# Altium PCB AD9361_EXT.PcbDoc (part 3 of 9)
Units mil, origin at the board's own origin, x right, y up, seen from the top; angles counter-clockwise.
Board outline 3145.03 x 1955.03 mil, 2 copper layers (Top Layer, Bottom Layer); 53 components, 59 nets, 286 pads, 253 vias.
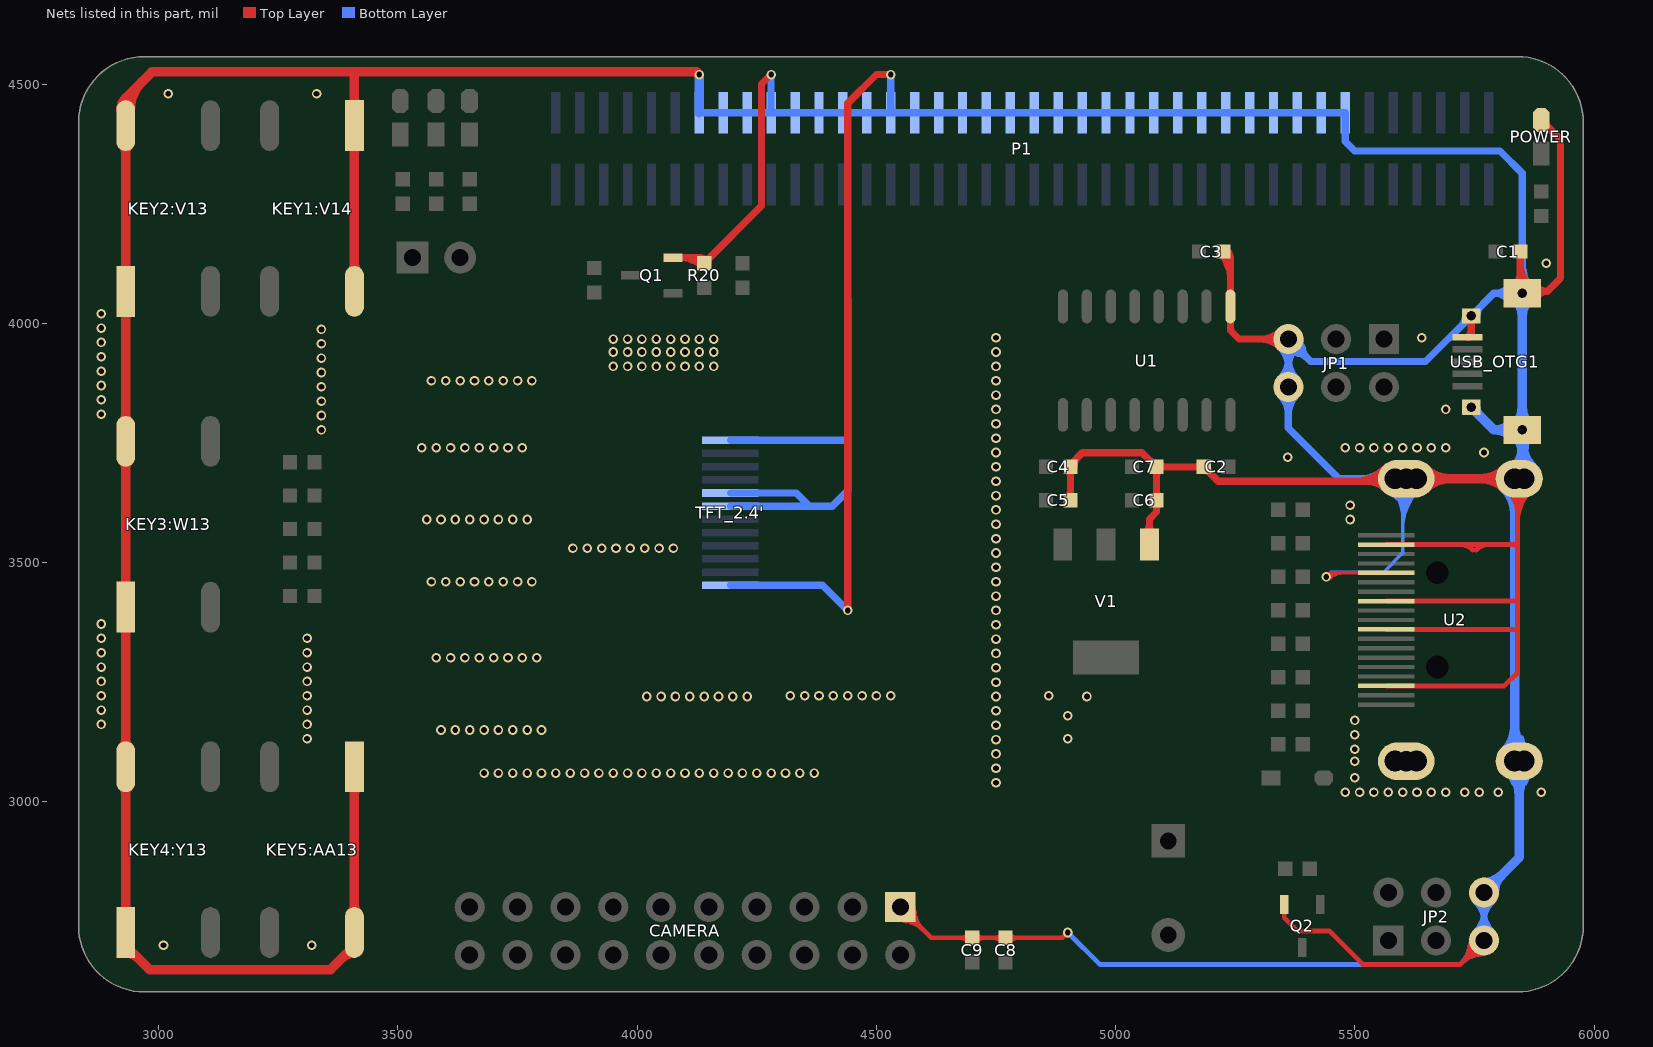
[diagram p3: the nets of this part, all layers, seen from the top]

## Via types
v1: diameter 20, hole 12, Top Layer to Bottom Layer, tented both sides, 253 vias

## Nets (pads, with @x,y where several pads share a name; then routed paths per layer and width w, separated by ;. In a path a pad name is that pad's centre, name@x,y a point inside that pad or via, vN(x,y) a via of type N, cw(c..) or ccw(c..) an arc to the next point about the centre after c; other vN are vias at no path point) (continued)
GND: (continued)
  Top Layer w15: Q1.2@4075,4137.4 4128.19,4137.4 R20.1@4140,4125.59 4260,4245.6 4260,4500 v1(4280,4520) ; v1(4440,3400) 4440,4460 4500,4520 v1(4530,4520) ; C5.2@4905.59,3630 C4.2@4905.59,3700 4905.59,3704.58 4930.5,3729.5 5055.41,3729.5 5084.91,3700 C7.2@5085.59,3700 ; V1.1@5070.55,3537.48 5070.55,3590.55 5085.59,3605.59 C6.2@5085.59,3630 C7.2@5085.59,3700 ; C3.2@5225.59,4150 5240,4135.58 U1.1@5240,4035.27 5240,3985.05 5258.05,3967 JP1.5@5361,3967 ; U2.MH4@5607.4,3675.28 U2.MH4@5602.13,3670 ; USB_OTG1.5@5743.31,4015.47 5743.31,3978.66 ; C1.2@5845.59,4150 5845.59,4067.13 5902.73,4067.13 5930,4094.4 5930,4384.75 POWER.2@5889.74,4425 ; Q1.2@4093.38,4137.4 cw(c4093.38,4078.98) R20.1@4134.69,4120.29 ; Q1.2@4093.38,4137.4 cw(c4093.38,4078.98) R20.1@4134.69,4120.29 ; Q1.2@4093.38,4137.4 cw(c4093.38,4078.98) R20.1@4134.69,4120.29 ; Q1.2@4093.38,4137.4 cw(c4093.38,4078.98) R20.1@4134.69,4120.29 ; 4112.13,4133.32 ccw(c4125.35,4156.23) R20.1@4136.76,4132.36 ; 4112.13,4133.32 ccw(c4125.35,4156.23) R20.1@4136.76,4132.36 ; 4112.13,4133.32 ccw(c4125.35,4156.23) R20.1@4136.76,4132.36 ; 4112.13,4133.32 ccw(c4125.35,4156.23) R20.1@4136.76,4132.36 ; 4112.13,4133.32 ccw(c4125.35,4156.23) R20.1@4136.76,4132.36 ; 4112.13,4133.32 ccw(c4125.35,4156.23) R20.1@4136.76,4132.36 ; R20.1@4129.6,4137.4 cw(c4129.6,4115.19) R20.1@4145.3,4130.9 ; R20.1@4129.6,4137.4 cw(c4129.6,4115.19) R20.1@4145.3,4130.9 ; R20.1@4129.6,4137.4 cw(c4129.6,4115.19) R20.1@4145.3,4130.9 ; R20.1@4129.6,4137.4 cw(c4129.6,4115.19) R20.1@4145.3,4130.9 ; R20.1@4140,4133.09 ccw(c4140,4151.2) R20.1@4152.8,4138.4 ; R20.1@4140,4133.09 ccw(c4140,4151.2) R20.1@4152.8,4138.4 ; R20.1@4140,4133.09 ccw(c4140,4151.2) R20.1@4152.8,4138.4 ; R20.1@4140,4133.09 ccw(c4140,4151.2) R20.1@4152.8,4138.4 ; R20.1@4147.5,4125.59 cw(c4165.6,4125.59) R20.1@4152.8,4138.4 ; R20.1@4147.5,4125.59 cw(c4165.6,4125.59) R20.1@4152.8,4138.4 ; R20.1@4147.5,4125.59 cw(c4165.6,4125.59) R20.1@4152.8,4138.4 ; R20.1@4147.5,4125.59 cw(c4165.6,4125.59) R20.1@4152.8,4138.4 ; C5.2@4900.28,3635.3 ccw(c4887.48,3648.1) 4905.59,3648.1 ; C5.2@4900.28,3635.3 ccw(c4887.48,3648.1) 4905.59,3648.1 ; C5.2@4900.28,3635.3 ccw(c4887.48,3648.1) 4905.59,3648.1 ; C5.2@4900.28,3635.3 ccw(c4887.48,3648.1) 4905.59,3648.1 ; C4.2@4900.28,3694.69 cw(c4887.48,3681.89) 4905.59,3681.89 ; C4.2@4900.28,3694.69 cw(c4887.48,3681.89) 4905.59,3681.89 ; C4.2@4900.28,3694.69 cw(c4887.48,3681.89) 4905.59,3681.89 ; C4.2@4900.28,3694.69 cw(c4887.48,3681.89) 4905.59,3681.89 ; 4905.59,3648.1 ccw(c4923.69,3648.1) C5.2@4910.89,3635.3 ; 4905.59,3648.1 ccw(c4923.69,3648.1) C5.2@4910.89,3635.3 ; 4905.59,3648.1 ccw(c4923.69,3648.1) C5.2@4910.89,3635.3 ; 4905.59,3648.1 ccw(c4923.69,3648.1) C5.2@4910.89,3635.3 ; 4905.59,3681.89 cw(c4923.69,3681.89) C4.2@4910.89,3694.69 ; 4905.59,3681.89 cw(c4923.69,3681.89) C4.2@4910.89,3694.69 ; 4905.59,3681.89 cw(c4923.69,3681.89) C4.2@4910.89,3694.69 ; 4905.59,3681.89 cw(c4923.69,3681.89) C4.2@4910.89,3694.69 ; C4.2@4913.09,3700 cw(c4942.26,3700) 4921.63,3720.63 ; C4.2@4913.09,3700 cw(c4942.26,3700) 4921.63,3720.63 ; C4.2@4913.09,3700 cw(c4942.26,3700) 4921.63,3720.63 ; C4.2@4913.09,3700 cw(c4942.26,3700) 4921.63,3720.63 ; V1.1@5061.94,3559.88 ccw(c5041.13,3580.68) 5070.55,3580.68 ; V1.1@5061.94,3559.88 ccw(c5041.13,3580.68) 5070.55,3580.68 ; V1.1@5061.94,3559.88 ccw(c5041.13,3580.68) 5070.55,3580.68 ; V1.1@5061.94,3559.88 ccw(c5041.13,3580.68) 5070.55,3580.68 ; 5070.55,3580.68 ccw(c5099.97,3580.68) V1.1@5079.17,3559.88 ; 5070.55,3580.68 ccw(c5099.97,3580.68) V1.1@5079.17,3559.88 ; 5070.55,3580.68 ccw(c5099.97,3580.68) V1.1@5079.17,3559.88 ; 5070.55,3580.68 ccw(c5099.97,3580.68) V1.1@5079.17,3559.88 ; C7.2@5071.63,3713.28 ccw(c5085.59,3727.23) C7.2@5085.59,3707.5 ; C7.2@5071.63,3713.28 ccw(c5085.59,3727.23) C7.2@5085.59,3707.5 ; C7.2@5071.63,3713.28 ccw(c5085.59,3727.23) C7.2@5085.59,3707.5 ; C7.2@5071.63,3713.28 ccw(c5085.59,3727.23) C7.2@5085.59,3707.5 ; C7.2@5073.26,3711.65 cw(c5061.61,3700) C7.2@5078.09,3700 ; C7.2@5073.26,3711.65 cw(c5061.61,3700) C7.2@5078.09,3700 ; C7.2@5073.26,3711.65 cw(c5061.61,3700) C7.2@5078.09,3700 ; C7.2@5073.26,3711.65 cw(c5061.61,3700) C7.2@5078.09,3700 ; C6.2@5080.28,3624.69 cw(c5067.48,3611.89) 5085.59,3611.89 ; C6.2@5080.28,3624.69 cw(c5067.48,3611.89) 5085.59,3611.89 ; C6.2@5080.28,3624.69 cw(c5067.48,3611.89) 5085.59,3611.89 ; C6.2@5080.28,3624.69 cw(c5067.48,3611.89) 5085.59,3611.89 ; C6.2@5080.28,3635.3 ccw(c5067.48,3648.1) 5085.59,3648.1 ; C6.2@5080.28,3635.3 ccw(c5067.48,3648.1) 5085.59,3648.1 ; C6.2@5080.28,3635.3 ccw(c5067.48,3648.1) 5085.59,3648.1 ; C6.2@5080.28,3635.3 ccw(c5067.48,3648.1) 5085.59,3648.1 ; C7.2@5080.28,3694.69 cw(c5067.48,3681.89) 5085.59,3681.89 ; C7.2@5080.28,3694.69 cw(c5067.48,3681.89) 5085.59,3681.89 ; C7.2@5080.28,3694.69 cw(c5067.48,3681.89) 5085.59,3681.89 ; C7.2@5080.28,3694.69 cw(c5067.48,3681.89) 5085.59,3681.89 ; 5085.59,3611.89 cw(c5103.69,3611.89) C6.2@5090.89,3624.69 ; 5085.59,3611.89 cw(c5103.69,3611.89) C6.2@5090.89,3624.69 ; 5085.59,3611.89 cw(c5103.69,3611.89) C6.2@5090.89,3624.69 ; 5085.59,3611.89 cw(c5103.69,3611.89) C6.2@5090.89,3624.69 ; 5085.59,3648.1 ccw(c5103.69,3648.1) C6.2@5090.89,3635.3 ; 5085.59,3648.1 ccw(c5103.69,3648.1) C6.2@5090.89,3635.3 ; 5085.59,3648.1 ccw(c5103.69,3648.1) C6.2@5090.89,3635.3 ; 5085.59,3648.1 ccw(c5103.69,3648.1) C6.2@5090.89,3635.3 ; 5085.59,3681.89 cw(c5103.69,3681.89) C7.2@5090.89,3694.69 ; 5085.59,3681.89 cw(c5103.69,3681.89) C7.2@5090.89,3694.69 ; 5085.59,3681.89 cw(c5103.69,3681.89) C7.2@5090.89,3694.69 ; 5085.59,3681.89 cw(c5103.69,3681.89) C7.2@5090.89,3694.69 ; C7.2@5085.59,3700 C2.2@5184.41,3700 5214.42,3670 U2.MH4@5602.13,3670 ; C7.2@5090.89,3694.69 cw(c5103.69,3681.89) 5103.69,3700 ; C7.2@5090.89,3694.69 cw(c5103.69,3681.89) 5103.69,3700 ; C7.2@5090.89,3694.69 cw(c5103.69,3681.89) 5103.69,3700 ; C7.2@5090.89,3694.69 cw(c5103.69,3681.89) 5103.69,3700 ; C7.2@5090.89,3705.3 ccw(c5103.69,3718.1) 5103.69,3700 ; C7.2@5090.89,3705.3 ccw(c5103.69,3718.1) 5103.69,3700 ; C7.2@5090.89,3705.3 ccw(c5103.69,3718.1) 5103.69,3700 ; C7.2@5090.89,3705.3 ccw(c5103.69,3718.1) 5103.69,3700 ; 5166.32,3700 cw(c5166.32,3681.91) C2.2@5179.11,3694.7 ; 5166.29,3700 ccw(c5166.29,3718.13) C2.2@5179.11,3705.31 ; 5166.32,3700 cw(c5166.32,3681.91) C2.2@5179.11,3694.7 ; 5166.29,3700 ccw(c5166.29,3718.13) C2.2@5179.11,3705.31 ; 5166.32,3700 cw(c5166.32,3681.91) C2.2@5179.11,3694.7 ; 5166.29,3700 ccw(c5166.29,3718.13) C2.2@5179.11,3705.31 ; 5166.32,3700 cw(c5166.32,3681.91) C2.2@5179.11,3694.7 ; 5166.29,3700 ccw(c5166.29,3718.13) C2.2@5179.11,3705.31 ; C2.2@5184.41,3692.5 cw(c5184.41,3674.4) C2.2@5197.22,3687.2 ; C2.2@5184.41,3692.5 cw(c5184.41,3674.4) C2.2@5197.22,3687.2 ; C2.2@5184.41,3692.5 cw(c5184.41,3674.4) C2.2@5197.22,3687.2 ; C2.2@5184.41,3692.5 cw(c5184.41,3674.4) C2.2@5197.22,3687.2 ; C2.2@5191.91,3700 ccw(c5210.02,3700) C2.2@5197.22,3687.2 ; C2.2@5191.91,3700 ccw(c5210.02,3700) C2.2@5197.22,3687.2 ; C2.2@5191.91,3700 ccw(c5210.02,3700) C2.2@5197.22,3687.2 ; C2.2@5191.91,3700 ccw(c5210.02,3700) C2.2@5197.22,3687.2 ; C3.2@5220.28,4144.69 cw(c5172.69,4097.1) 5240,4097.1 ; C3.2@5220.28,4144.69 cw(c5172.69,4097.1) 5240,4097.1 ; C3.2@5220.28,4144.69 cw(c5172.69,4097.1) 5240,4097.1 ; C3.2@5220.28,4144.69 cw(c5172.69,4097.1) 5240,4097.1 ; C3.2@5230.89,4155.3 cw(c5208.9,4133.31) 5240,4133.31 ; C3.2@5230.89,4155.3 cw(c5208.9,4133.31) 5240,4133.31 ; C3.2@5230.89,4155.3 cw(c5208.9,4133.31) 5240,4133.31 ; C3.2@5230.89,4155.3 cw(c5208.9,4133.31) 5240,4133.31 ; C3.2@5232.69,4147.6 ccw(c5266.72,4136.1) 5235.61,4118.14 ; C3.2@5232.69,4147.6 ccw(c5266.72,4136.1) 5235.61,4118.14 ; C3.2@5232.69,4147.6 ccw(c5266.72,4136.1) 5235.61,4118.14 ; C3.2@5232.69,4147.6 ccw(c5266.72,4136.1) 5235.61,4118.14 ; C3.2@5232.69,4147.6 ccw(c5266.72,4136.1) 5235.61,4118.14 ; C3.2@5232.69,4147.6 ccw(c5266.72,4136.1) 5235.61,4118.14 ; 5303.07,3967 cw(c5303.07,3909.07) JP1.5@5344.03,3950.03 ; 5303.07,3967 ccw(c5303.07,4024.93) JP1.5@5344.03,3983.97 ; 5303.07,3967 cw(c5303.07,3909.07) JP1.5@5344.03,3950.03 ; 5303.07,3967 ccw(c5303.07,4024.93) JP1.5@5344.03,3983.97 ; 5303.07,3967 cw(c5303.07,3909.07) JP1.5@5344.03,3950.03 ; 5303.07,3967 ccw(c5303.07,4024.93) JP1.5@5344.03,3983.97 ; 5303.07,3967 cw(c5303.07,3909.07) JP1.5@5344.03,3950.03 ; 5303.07,3967 ccw(c5303.07,4024.93) JP1.5@5344.03,3983.97 ; 5498.04,3670 ccw(c5498.04,3764.95) U2.MH4@5565.18,3697.81 ; 5498.04,3670 ccw(c5498.04,3764.95) U2.MH4@5565.18,3697.81 ; 5498.04,3670 ccw(c5498.04,3764.95) U2.MH4@5565.18,3697.81 ; 5498.04,3670 ccw(c5498.04,3764.95) U2.MH4@5565.18,3697.81 ; 5523.51,3670 cw(c5523.51,3611.07) U2.MH4@5565.18,3652.74 ; 5523.51,3670 cw(c5523.51,3611.07) U2.MH4@5565.18,3652.74 ; 5523.51,3670 cw(c5523.51,3611.07) U2.MH4@5565.18,3652.74 ; 5523.51,3670 cw(c5523.51,3611.07) U2.MH4@5565.18,3652.74 ; 5534.25,3670 ccw(c5534.25,3728.74) U2.MH4@5575.79,3687.2 ; 5534.25,3670 ccw(c5534.25,3728.74) U2.MH4@5575.79,3687.2 ; 5534.25,3670 ccw(c5534.25,3728.74) U2.MH4@5575.79,3687.2 ; 5534.25,3670 ccw(c5534.25,3728.74) U2.MH4@5575.79,3687.2 ; 5537.7,3670 ccw(c5537.7,3721.24) U2.MH4@5573.93,3685.01 ; 5537.7,3670 ccw(c5537.7,3721.24) U2.MH4@5573.93,3685.01 ; 5537.7,3670 ccw(c5537.7,3721.24) U2.MH4@5573.93,3685.01 ; 5537.7,3670 ccw(c5537.7,3721.24) U2.MH4@5573.93,3685.01 ; U2.MH4@5561.84,3670 cw(c5561.84,3652.9) U2.MH4@5573.93,3664.99 ; U2.MH4@5561.84,3670 cw(c5561.84,3652.9) U2.MH4@5573.93,3664.99 ; U2.MH4@5561.84,3670 cw(c5561.84,3652.9) U2.MH4@5573.93,3664.99 ; U2.MH4@5561.84,3670 cw(c5561.84,3652.9) U2.MH4@5573.93,3664.99 ; U2.MH4@5582.7,3670 ccw(c5582.7,3721.24) U2.MH4@5618.93,3685.01 ; U2.MH4@5582.7,3670 ccw(c5582.7,3721.24) U2.MH4@5618.93,3685.01 ; U2.MH4@5582.7,3670 ccw(c5582.7,3721.24) U2.MH4@5618.93,3685.01 ; U2.MH4@5582.7,3670 ccw(c5582.7,3721.24) U2.MH4@5618.93,3685.01 ; U2.MH4@5602.13,3670 ccw(c5602.13,3684.19) U2.MH4@5615.55,3679.59 ; U2.MH4@5602.13,3670 ccw(c5602.13,3684.19) U2.MH4@5615.55,3679.59 ; U2.MH4@5602.13,3670 ccw(c5602.13,3684.19) U2.MH4@5615.55,3679.59 ; U2.MH4@5602.13,3670 ccw(c5602.13,3684.19) U2.MH4@5615.55,3679.59 ; U2.MH4@5606.84,3670 cw(c5606.84,3652.9) U2.MH4@5618.93,3664.99 ; U2.MH4@5606.84,3670 cw(c5606.84,3652.9) U2.MH4@5618.93,3664.99 ; U2.MH4@5606.84,3670 cw(c5606.84,3652.9) U2.MH4@5618.93,3664.99 ; U2.MH4@5606.84,3670 cw(c5606.84,3652.9) U2.MH4@5618.93,3664.99 ; U2.MH4@5606.84,3670 cw(c5606.84,3652.9) U2.MH4@5618.93,3664.99 ; U2.MH4@5606.84,3670 cw(c5606.84,3652.9) U2.MH4@5618.93,3664.99 ; U2.MH4@5606.84,3670 cw(c5606.84,3652.9) U2.MH4@5618.93,3664.99 ; U2.MH4@5606.84,3670 cw(c5606.84,3652.9) U2.MH4@5618.93,3664.99 ; USB_OTG1.5@5735.88,3970.57 ccw(c5735.19,3978.66) 5743.31,3978.66 ; USB_OTG1.5@5735.88,3970.57 ccw(c5735.19,3978.66) 5743.31,3978.66 ; USB_OTG1.5@5735.88,3970.57 ccw(c5735.19,3978.66) 5743.31,3978.66 ; USB_OTG1.5@5735.88,3970.57 ccw(c5735.19,3978.66) 5743.31,3978.66 ; USB_OTG1.5@5736.26,3970.75 ccw(c5719.24,3987.77) 5743.31,3987.77 ; USB_OTG1.5@5736.26,3970.75 ccw(c5719.24,3987.77) 5743.31,3987.77 ; USB_OTG1.5@5736.26,3970.75 ccw(c5719.24,3987.77) 5743.31,3987.77 ; USB_OTG1.5@5736.26,3970.75 ccw(c5719.24,3987.77) 5743.31,3987.77 ; USB_OTG1.5@5737.47,4009.64 cw(c5723.39,3995.56) 5743.31,3995.56 ; USB_OTG1.5@5737.47,4009.64 cw(c5723.39,3995.56) 5743.31,3995.56 ; USB_OTG1.5@5737.47,4009.64 cw(c5723.39,3995.56) 5743.31,3995.56 ; USB_OTG1.5@5737.47,4009.64 cw(c5723.39,3995.56) 5743.31,3995.56 ; 5743.31,3995.56 cw(c5763.22,3995.56) USB_OTG1.5@5749.14,4009.64 ; 5743.31,3995.56 cw(c5763.22,3995.56) USB_OTG1.5@5749.14,4009.64 ; 5743.31,3995.56 cw(c5763.22,3995.56) USB_OTG1.5@5749.14,4009.64 ; 5743.31,3995.56 cw(c5763.22,3995.56) USB_OTG1.5@5749.14,4009.64 ; USB_OTG1.5@5834.42,4078.29 ccw(c5807.47,4105.24) 5845.59,4105.24 ; USB_OTG1.5@5834.42,4078.29 ccw(c5807.47,4105.24) 5845.59,4105.24 ; USB_OTG1.5@5834.42,4078.29 ccw(c5807.47,4105.24) 5845.59,4105.24 ; USB_OTG1.5@5834.42,4078.29 ccw(c5807.47,4105.24) 5845.59,4105.24 ; C1.2@5840.28,4144.69 cw(c5827.48,4131.89) 5845.59,4131.89 ; C1.2@5840.28,4144.69 cw(c5827.48,4131.89) 5845.59,4131.89 ; C1.2@5840.28,4144.69 cw(c5827.48,4131.89) 5845.59,4131.89 ; C1.2@5840.28,4144.69 cw(c5827.48,4131.89) 5845.59,4131.89 ; 5845.59,4126.55 ccw(c5913.83,4126.55) USB_OTG1.5@5865.58,4078.29 ; 5845.59,4126.55 ccw(c5913.83,4126.55) USB_OTG1.5@5865.58,4078.29 ; 5845.59,4126.55 ccw(c5913.83,4126.55) USB_OTG1.5@5865.58,4078.29 ; 5845.59,4126.55 ccw(c5913.83,4126.55) USB_OTG1.5@5865.58,4078.29 ; 5845.59,4131.89 cw(c5863.69,4131.89) C1.2@5850.89,4144.69 ; 5845.59,4131.89 cw(c5863.69,4131.89) C1.2@5850.89,4144.69 ; 5845.59,4131.89 cw(c5863.69,4131.89) C1.2@5850.89,4144.69 ; 5845.59,4131.89 cw(c5863.69,4131.89) C1.2@5850.89,4144.69 ; USB_OTG1.5@5875.42,4078.29 ccw(c5902.37,4105.24) 5902.37,4067.13 ; USB_OTG1.5@5875.42,4078.29 ccw(c5902.37,4105.24) 5902.37,4067.13 ; USB_OTG1.5@5875.42,4078.29 ccw(c5902.37,4105.24) 5902.37,4067.13 ; USB_OTG1.5@5875.42,4078.29 ccw(c5902.37,4105.24) 5902.37,4067.13 ; USB_OTG1.5@5879.52,4052.82 cw(c5902.72,4041.16) 5902.72,4067.13 ; USB_OTG1.5@5879.52,4052.82 cw(c5902.72,4041.16) 5902.72,4067.13 ; USB_OTG1.5@5879.52,4052.82 cw(c5902.72,4041.16) 5902.72,4067.13 ; USB_OTG1.5@5879.52,4052.82 cw(c5902.72,4041.16) 5902.72,4067.13 ; POWER.2@5889.74,4407.5 cw(c5889.74,4365.26) 5919.62,4395.13 ; POWER.2@5889.74,4407.5 cw(c5889.74,4365.26) 5919.62,4395.13 ; POWER.2@5889.74,4407.5 cw(c5889.74,4365.26) 5919.62,4395.13 ; POWER.2@5889.74,4407.5 cw(c5889.74,4365.26) 5919.62,4395.13
  Top Layer w20: KEY5:AA13.1@3409,3060 3409,2698.55 3394.07,2683.62 3393.62,2683.62 3359,2649 2980.83,2649 2946.21,2683.62 2940.69,2683.62 2931,2693.31 KEY4:Y13.1@2931,3073.23 KEY3:W13.1@2931,3406.77 KEY3:W13.1@2931,3753.23 KEY2:V13.1@2931,4066.77 KEY2:V13.1@2931,4413.23 2931,4471 2985.5,4525.5 4124.5,4525.5 v1(4130,4520) ; KEY1:V14.1@3409,4061 KEY1:V14.1@3410,4060 ; KEY1:V14.1@3409,4066.77 KEY1:V14.1@3409,4413.23 3409,4524.5 ; U2.MH3@5843.62,3675.28 U2.MH4@5607.4,3675.28 ; KEY2:V13.1@2920.69,4446.69 cw(c2954.47,4446.69) 2930.58,4470.58 ; KEY2:V13.1@2920.69,4446.69 cw(c2954.47,4446.69) 2930.58,4470.58 ; KEY2:V13.1@2920.69,4446.69 cw(c2954.47,4446.69) 2930.58,4470.58 ; KEY2:V13.1@2920.69,4446.69 cw(c2954.47,4446.69) 2930.58,4470.58 ; KEY4:Y13.1@2924.15,2767.08 ccw(c2907.62,2783.62) 2931,2783.62 ; KEY4:Y13.1@2924.15,2767.08 ccw(c2907.62,2783.62) 2931,2783.62 ; KEY4:Y13.1@2924.15,2767.08 ccw(c2907.62,2783.62) 2931,2783.62 ; KEY4:Y13.1@2924.15,2767.08 ccw(c2907.62,2783.62) 2931,2783.62 ; KEY4:Y13.1@2924.15,2767.08 ccw(c2907.62,2783.62) 2931,2783.62 ; KEY4:Y13.1@2924.15,2767.08 ccw(c2907.62,2783.62) 2931,2783.62 ; KEY4:Y13.1@2924.15,3032.92 cw(c2907.62,3016.38) 2931,3016.38 ; KEY4:Y13.1@2924.15,3032.92 cw(c2907.62,3016.38) 2931,3016.38 ; KEY4:Y13.1@2924.15,3032.92 cw(c2907.62,3016.38) 2931,3016.38 ; KEY4:Y13.1@2924.15,3032.92 cw(c2907.62,3016.38) 2931,3016.38 ; KEY4:Y13.1@2924.15,3032.92 cw(c2907.62,3016.38) 2931,3016.38 ; KEY4:Y13.1@2924.15,3032.92 cw(c2907.62,3016.38) 2931,3016.38 ; KEY4:Y13.1@2924.15,3113.54 ccw(c2907.62,3130.07) 2931,3130.07 ; KEY4:Y13.1@2924.15,3113.54 ccw(c2907.62,3130.07) 2931,3130.07 ; KEY4:Y13.1@2924.15,3113.54 ccw(c2907.62,3130.07) 2931,3130.07 ; KEY4:Y13.1@2924.15,3113.54 ccw(c2907.62,3130.07) 2931,3130.07 ; KEY4:Y13.1@2924.15,3113.54 ccw(c2907.62,3130.07) 2931,3130.07 ; KEY4:Y13.1@2924.15,3113.54 ccw(c2907.62,3130.07) 2931,3130.07 ; KEY3:W13.1@2924.15,3366.46 cw(c2907.62,3349.93) 2931,3349.93 ; KEY3:W13.1@2924.15,3366.46 cw(c2907.62,3349.93) 2931,3349.93 ; KEY3:W13.1@2924.15,3366.46 cw(c2907.62,3349.93) 2931,3349.93 ; KEY3:W13.1@2924.15,3366.46 cw(c2907.62,3349.93) 2931,3349.93 ; KEY3:W13.1@2924.15,3366.46 cw(c2907.62,3349.93) 2931,3349.93 ; KEY3:W13.1@2924.15,3366.46 cw(c2907.62,3349.93) 2931,3349.93 ; KEY3:W13.1@2924.15,3447.08 ccw(c2907.62,3463.62) 2931,3463.62 ; KEY3:W13.1@2924.15,3447.08 ccw(c2907.62,3463.62) 2931,3463.62 ; KEY3:W13.1@2924.15,3447.08 ccw(c2907.62,3463.62) 2931,3463.62 ; KEY3:W13.1@2924.15,3447.08 ccw(c2907.62,3463.62) 2931,3463.62 ; KEY3:W13.1@2924.15,3447.08 ccw(c2907.62,3463.62) 2931,3463.62 ; KEY3:W13.1@2924.15,3447.08 ccw(c2907.62,3463.62) 2931,3463.62 ; KEY3:W13.1@2924.15,3712.92 cw(c2907.62,3696.38) 2931,3696.38 ; KEY3:W13.1@2924.15,3712.92 cw(c2907.62,3696.38) 2931,3696.38 ; KEY3:W13.1@2924.15,3712.92 cw(c2907.62,3696.38) 2931,3696.38 ; KEY3:W13.1@2924.15,3712.92 cw(c2907.62,3696.38) 2931,3696.38 ; KEY3:W13.1@2924.15,3712.92 cw(c2907.62,3696.38) 2931,3696.38 ; KEY3:W13.1@2924.15,3712.92 cw(c2907.62,3696.38) 2931,3696.38 ; KEY3:W13.1@2924.15,3793.54 ccw(c2907.62,3810.07) 2931,3810.07 ; KEY3:W13.1@2924.15,3793.54 ccw(c2907.62,3810.07) 2931,3810.07 ; KEY3:W13.1@2924.15,3793.54 ccw(c2907.62,3810.07) 2931,3810.07 ; KEY3:W13.1@2924.15,3793.54 ccw(c2907.62,3810.07) 2931,3810.07 ; KEY3:W13.1@2924.15,3793.54 ccw(c2907.62,3810.07) 2931,3810.07 ; KEY3:W13.1@2924.15,3793.54 ccw(c2907.62,3810.07) 2931,3810.07 ; KEY2:V13.1@2924.15,4026.46 cw(c2907.62,4009.93) 2931,4009.93 ; KEY2:V13.1@2924.15,4026.46 cw(c2907.62,4009.93) 2931,4009.93 ; KEY2:V13.1@2924.15,4026.46 cw(c2907.62,4009.93) 2931,4009.93 ; KEY2:V13.1@2924.15,4026.46 cw(c2907.62,4009.93) 2931,4009.93 ; KEY2:V13.1@2924.15,4026.46 cw(c2907.62,4009.93) 2931,4009.93 ; KEY2:V13.1@2924.15,4026.46 cw(c2907.62,4009.93) 2931,4009.93 ; KEY2:V13.1@2924.15,4107.08 ccw(c2907.62,4123.62) 2931,4123.62 ; KEY2:V13.1@2924.15,4107.08 ccw(c2907.62,4123.62) 2931,4123.62 ; KEY2:V13.1@2924.15,4107.08 ccw(c2907.62,4123.62) 2931,4123.62 ; KEY2:V13.1@2924.15,4107.08 ccw(c2907.62,4123.62) 2931,4123.62 ; KEY2:V13.1@2924.15,4107.08 ccw(c2907.62,4123.62) 2931,4123.62 ; KEY2:V13.1@2924.15,4107.08 ccw(c2907.62,4123.62) 2931,4123.62 ; KEY2:V13.1@2924.15,4372.92 cw(c2907.62,4356.38) 2931,4356.38 ; KEY2:V13.1@2924.15,4372.92 cw(c2907.62,4356.38) 2931,4356.38 ; KEY2:V13.1@2924.15,4372.92 cw(c2907.62,4356.38) 2931,4356.38 ; KEY2:V13.1@2924.15,4372.92 cw(c2907.62,4356.38) 2931,4356.38 ; KEY2:V13.1@2924.15,4453.54 ccw(c2907.62,4470.07) 2931,4470.07 ; KEY2:V13.1@2924.15,4453.54 ccw(c2907.62,4470.07) 2931,4470.07 ; KEY2:V13.1@2924.15,4453.54 ccw(c2907.62,4470.07) 2931,4470.07 ; KEY2:V13.1@2924.15,4453.54 ccw(c2907.62,4470.07) 2931,4470.07 ; KEY2:V13.1@2926.16,4455.08 ccw(c2898.5,4502.99) 2951.93,4488.67 ; KEY2:V13.1@2926.16,4455.08 ccw(c2898.5,4502.99) 2951.93,4488.67 ; KEY2:V13.1@2926.16,4455.08 ccw(c2898.5,4502.99) 2951.93,4488.67 ; KEY2:V13.1@2926.16,4455.08 ccw(c2898.5,4502.99) 2951.93,4488.67 ; KEY2:V13.1@2926.16,4455.08 ccw(c2898.5,4502.99) 2951.93,4488.67 ; KEY2:V13.1@2926.16,4455.08 ccw(c2898.5,4502.99) 2951.93,4488.67 ; KEY4:Y13.1@2931,2683.62 cw(c2931,2646.92) 2956.96,2672.87 ; KEY4:Y13.1@2931,2683.62 cw(c2931,2646.92) 2956.96,2672.87 ; KEY4:Y13.1@2931,2683.62 cw(c2931,2646.92) 2956.96,2672.87 ; KEY4:Y13.1@2931,2683.62 cw(c2931,2646.92) 2956.96,2672.87 ; KEY4:Y13.1@2931,2683.62 cw(c2931,2646.92) 2956.96,2672.87 ; KEY4:Y13.1@2931,2683.62 cw(c2931,2646.92) 2956.96,2672.87 ; 2931,2783.62 ccw(c2954.38,2783.62) KEY4:Y13.1@2937.85,2767.08 ; 2931,2783.62 ccw(c2954.38,2783.62) KEY4:Y13.1@2937.85,2767.08 ; 2931,2783.62 ccw(c2954.38,2783.62) KEY4:Y13.1@2937.85,2767.08 ; 2931,2783.62 ccw(c2954.38,2783.62) KEY4:Y13.1@2937.85,2767.08 ; 2931,2783.62 ccw(c2954.38,2783.62) KEY4:Y13.1@2937.85,2767.08 ; 2931,2783.62 ccw(c2954.38,2783.62) KEY4:Y13.1@2937.85,2767.08 ; 2931,3016.38 cw(c2954.38,3016.38) KEY4:Y13.1@2937.85,3032.92 ; 2931,3016.38 cw(c2954.38,3016.38) KEY4:Y13.1@2937.85,3032.92 ; 2931,3016.38 cw(c2954.38,3016.38) KEY4:Y13.1@2937.85,3032.92 ; 2931,3016.38 cw(c2954.38,3016.38) KEY4:Y13.1@2937.85,3032.92 ; 2931,3016.38 cw(c2954.38,3016.38) KEY4:Y13.1@2937.85,3032.92 ; 2931,3016.38 cw(c2954.38,3016.38) KEY4:Y13.1@2937.85,3032.92 ; 2931,3130.07 ccw(c2954.38,3130.07) KEY4:Y13.1@2937.85,3113.54 ; 2931,3130.07 ccw(c2954.38,3130.07) KEY4:Y13.1@2937.85,3113.54 ; 2931,3130.07 ccw(c2954.38,3130.07) KEY4:Y13.1@2937.85,3113.54 ; 2931,3130.07 ccw(c2954.38,3130.07) KEY4:Y13.1@2937.85,3113.54 ; 2931,3130.07 ccw(c2954.38,3130.07) KEY4:Y13.1@2937.85,3113.54 ; 2931,3130.07 ccw(c2954.38,3130.07) KEY4:Y13.1@2937.85,3113.54 ; 2931,3349.93 cw(c2954.38,3349.93) KEY3:W13.1@2937.85,3366.46 ; 2931,3349.93 cw(c2954.38,3349.93) KEY3:W13.1@2937.85,3366.46 ; 2931,3349.93 cw(c2954.38,3349.93) KEY3:W13.1@2937.85,3366.46 ; 2931,3349.93 cw(c2954.38,3349.93) KEY3:W13.1@2937.85,3366.46 ; 2931,3349.93 cw(c2954.38,3349.93) KEY3:W13.1@2937.85,3366.46 ; 2931,3349.93 cw(c2954.38,3349.93) KEY3:W13.1@2937.85,3366.46 ; 2931,3463.62 ccw(c2954.38,3463.62) KEY3:W13.1@2937.85,3447.08 ; 2931,3463.62 ccw(c2954.38,3463.62) KEY3:W13.1@2937.85,3447.08 ; 2931,3463.62 ccw(c2954.38,3463.62) KEY3:W13.1@2937.85,3447.08 ; 2931,3463.62 ccw(c2954.38,3463.62) KEY3:W13.1@2937.85,3447.08 ; 2931,3463.62 ccw(c2954.38,3463.62) KEY3:W13.1@2937.85,3447.08 ; 2931,3463.62 ccw(c2954.38,3463.62) KEY3:W13.1@2937.85,3447.08 ; 2931,3696.38 cw(c2954.38,3696.38) KEY3:W13.1@2937.85,3712.92 ; 2931,3696.38 cw(c2954.38,3696.38) KEY3:W13.1@2937.85,3712.92 ; 2931,3696.38 cw(c2954.38,3696.38) KEY3:W13.1@2937.85,3712.92 ; 2931,3696.38 cw(c2954.38,3696.38) KEY3:W13.1@2937.85,3712.92 ; 2931,3696.38 cw(c2954.38,3696.38) KEY3:W13.1@2937.85,3712.92 ; 2931,3696.38 cw(c2954.38,3696.38) KEY3:W13.1@2937.85,3712.92 ; 2931,3810.07 ccw(c2954.38,3810.07) KEY3:W13.1@2937.85,3793.54 ; 2931,3810.07 ccw(c2954.38,3810.07) KEY3:W13.1@2937.85,3793.54 ; 2931,3810.07 ccw(c2954.38,3810.07) KEY3:W13.1@2937.85,3793.54 ; 2931,3810.07 ccw(c2954.38,3810.07) KEY3:W13.1@2937.85,3793.54 ; 2931,3810.07 ccw(c2954.38,3810.07) KEY3:W13.1@2937.85,3793.54 ; 2931,3810.07 ccw(c2954.38,3810.07) KEY3:W13.1@2937.85,3793.54 ; 2931,4009.93 cw(c2954.38,4009.93) KEY2:V13.1@2937.85,4026.46 ; 2931,4009.93 cw(c2954.38,4009.93) KEY2:V13.1@2937.85,4026.46 ; 2931,4009.93 cw(c2954.38,4009.93) KEY2:V13.1@2937.85,4026.46 ; 2931,4009.93 cw(c2954.38,4009.93) KEY2:V13.1@2937.85,4026.46 ; 2931,4009.93 cw(c2954.38,4009.93) KEY2:V13.1@2937.85,4026.46 ; 2931,4009.93 cw(c2954.38,4009.93) KEY2:V13.1@2937.85,4026.46 ; 2931,4123.62 ccw(c2954.38,4123.62) KEY2:V13.1@2937.85,4107.08 ; 2931,4123.62 ccw(c2954.38,4123.62) KEY2:V13.1@2937.85,4107.08 ; 2931,4123.62 ccw(c2954.38,4123.62) KEY2:V13.1@2937.85,4107.08 ; 2931,4123.62 ccw(c2954.38,4123.62) KEY2:V13.1@2937.85,4107.08 ; 2931,4123.62 ccw(c2954.38,4123.62) KEY2:V13.1@2937.85,4107.08 ; 2931,4123.62 ccw(c2954.38,4123.62) KEY2:V13.1@2937.85,4107.08 ; 2931,4356.38 cw(c2954.38,4356.38) KEY2:V13.1@2937.85,4372.92 ; 2931,4356.38 cw(c2954.38,4356.38) KEY2:V13.1@2937.85,4372.92 ; 2931,4356.38 cw(c2954.38,4356.38) KEY2:V13.1@2937.85,4372.92 ; 2931,4356.38 cw(c2954.38,4356.38) KEY2:V13.1@2937.85,4372.92 ; 2931,4470.07 ccw(c2954.38,4470.07) KEY2:V13.1@2937.85,4453.54 ; 2931,4470.07 ccw(c2954.38,4470.07) KEY2:V13.1@2937.85,4453.54 ; 2931,4470.07 ccw(c2954.38,4470.07) KEY2:V13.1@2937.85,4453.54 ; 2931,4470.07 ccw(c2954.38,4470.07) KEY2:V13.1@2937.85,4453.54 ; KEY2:V13.1@2940.22,4449.67 cw(c2964.3,4457.44) 2946.41,4475.33 ; KEY2:V13.1@2940.22,4449.67 cw(c2964.3,4457.44) 2946.41,4475.33 ; KEY2:V13.1@2940.22,4449.67 cw(c2964.3,4457.44) 2946.41,4475.33 ; KEY2:V13.1@2940.22,4449.67 cw(c2964.3,4457.44) 2946.41,4475.33 ; KEY2:V13.1@2940.69,4446.69 cw(c3022.75,4446.69) 2964.72,4504.72 ; KEY2:V13.1@2940.69,4446.69 cw(c3022.75,4446.69) 2964.72,4504.72 ; KEY2:V13.1@2940.69,4446.69 cw(c3022.75,4446.69) 2964.72,4504.72 ; KEY2:V13.1@2940.69,4446.69 cw(c3022.75,4446.69) 2964.72,4504.72 ; 3382.75,2672.75 cw(c3409,2646.5) KEY5:AA13.1@3409,2683.62 ; 3382.75,2672.75 cw(c3409,2646.5) KEY5:AA13.1@3409,2683.62 ; 3382.75,2672.75 cw(c3409,2646.5) KEY5:AA13.1@3409,2683.62 ; 3382.75,2672.75 cw(c3409,2646.5) KEY5:AA13.1@3409,2683.62 ; 3382.75,2672.75 cw(c3409,2646.5) KEY5:AA13.1@3409,2683.62 ; 3382.75,2672.75 cw(c3409,2646.5) KEY5:AA13.1@3409,2683.62 ; KEY5:AA13.1@3402.15,2767.08 ccw(c3385.62,2783.62) 3409,2783.62 ; KEY5:AA13.1@3402.15,2767.08 ccw(c3385.62,2783.62) 3409,2783.62 ; KEY5:AA13.1@3402.15,2767.08 ccw(c3385.62,2783.62) 3409,2783.62 ; KEY5:AA13.1@3402.15,2767.08 ccw(c3385.62,2783.62) 3409,2783.62 ; KEY5:AA13.1@3402.15,2767.08 ccw(c3385.62,2783.62) 3409,2783.62 ; KEY5:AA13.1@3402.15,2767.08 ccw(c3385.62,2783.62) 3409,2783.62 ; KEY5:AA13.1@3402.15,3032.92 cw(c3385.62,3016.38) 3409,3016.38 ; KEY5:AA13.1@3402.15,3032.92 cw(c3385.62,3016.38) 3409,3016.38 ; KEY5:AA13.1@3402.15,3032.92 cw(c3385.62,3016.38) 3409,3016.38 ; KEY5:AA13.1@3402.15,3032.92 cw(c3385.62,3016.38) 3409,3016.38 ; KEY5:AA13.1@3402.15,3032.92 cw(c3385.62,3016.38) 3409,3016.38 ; KEY5:AA13.1@3402.15,3032.92 cw(c3385.62,3016.38) 3409,3016.38 ; KEY1:V14.1@3402.15,4107.08 ccw(c3385.62,4123.62) 3409,4123.62 ; KEY1:V14.1@3402.15,4107.08 ccw(c3385.62,4123.62) 3409,4123.62 ; KEY1:V14.1@3402.15,4107.08 ccw(c3385.62,4123.62) 3409,4123.62 ; KEY1:V14.1@3402.15,4107.08 ccw(c3385.62,4123.62) 3409,4123.62 ; KEY1:V14.1@3402.15,4107.08 ccw(c3385.62,4123.62) 3409,4123.62 ; KEY1:V14.1@3402.15,4107.08 ccw(c3385.62,4123.62) 3409,4123.62 ; KEY1:V14.1@3402.15,4372.92 cw(c3385.62,4356.38) 3409,4356.38 ; KEY1:V14.1@3402.15,4372.92 cw(c3385.62,4356.38) 3409,4356.38 ; KEY1:V14.1@3402.15,4372.92 cw(c3385.62,4356.38) 3409,4356.38 ; KEY1:V14.1@3402.15,4372.92 cw(c3385.62,4356.38) 3409,4356.38 ; KEY1:V14.1@3402.15,4453.54 ccw(c3385.62,4470.07) 3409,4470.07 ; KEY1:V14.1@3402.15,4453.54 ccw(c3385.62,4470.07) 3409,4470.07 ; KEY1:V14.1@3402.15,4453.54 ccw(c3385.62,4470.07) 3409,4470.07 ; KEY1:V14.1@3402.15,4453.54 ccw(c3385.62,4470.07) 3409,4470.07 ; 3409,2783.62 ccw(c3432.38,2783.62) KEY5:AA13.1@3415.85,2767.08 ; 3409,2783.62 ccw(c3432.38,2783.62) KEY5:AA13.1@3415.85,2767.08 ; 3409,2783.62 ccw(c3432.38,2783.62) KEY5:AA13.1@3415.85,2767.08 ; 3409,2783.62 ccw(c3432.38,2783.62) KEY5:AA13.1@3415.85,2767.08 ; 3409,2783.62 ccw(c3432.38,2783.62) KEY5:AA13.1@3415.85,2767.08 ; 3409,2783.62 ccw(c3432.38,2783.62) KEY5:AA13.1@3415.85,2767.08 ; 3409,3016.38 cw(c3432.38,3016.38) KEY5:AA13.1@3415.85,3032.92 ; 3409,3016.38 cw(c3432.38,3016.38) KEY5:AA13.1@3415.85,3032.92 ; 3409,3016.38 cw(c3432.38,3016.38) KEY5:AA13.1@3415.85,3032.92 ; 3409,3016.38 cw(c3432.38,3016.38) KEY5:AA13.1@3415.85,3032.92 ; 3409,3016.38 cw(c3432.38,3016.38) KEY5:AA13.1@3415.85,3032.92 ; 3409,3016.38 cw(c3432.38,3016.38) KEY5:AA13.1@3415.85,3032.92 ; 3409,4123.62 ccw(c3432.38,4123.62) KEY1:V14.1@3415.85,4107.08 ; 3409,4123.62 ccw(c3432.38,4123.62) KEY1:V14.1@3415.85,4107.08 ; 3409,4123.62 ccw(c3432.38,4123.62) KEY1:V14.1@3415.85,4107.08 ; 3409,4123.62 ccw(c3432.38,4123.62) KEY1:V14.1@3415.85,4107.08 ; 3409,4123.62 ccw(c3432.38,4123.62) KEY1:V14.1@3415.85,4107.08 ; 3409,4123.62 ccw(c3432.38,4123.62) KEY1:V14.1@3415.85,4107.08 ; 3409,4356.38 cw(c3432.38,4356.38) KEY1:V14.1@3415.85,4372.92 ; 3409,4356.38 cw(c3432.38,4356.38) KEY1:V14.1@3415.85,4372.92 ; 3409,4356.38 cw(c3432.38,4356.38) KEY1:V14.1@3415.85,4372.92 ; 3409,4356.38 cw(c3432.38,4356.38) KEY1:V14.1@3415.85,4372.92 ; 3409,4470.07 ccw(c3432.38,4470.07) KEY1:V14.1@3415.85,4453.54 ; 3409,4470.07 ccw(c3432.38,4470.07) KEY1:V14.1@3415.85,4453.54 ; 3409,4470.07 ccw(c3432.38,4470.07) KEY1:V14.1@3415.85,4453.54 ; 3409,4470.07 ccw(c3432.38,4470.07) KEY1:V14.1@3415.85,4453.54 ; 4116.72,4525.5 cw(c4116.72,4506.72) v1(4130,4520) ; 4116.72,4525.5 cw(c4116.72,4506.72) v1(4130,4520) ; 4116.72,4525.5 cw(c4116.72,4506.72) v1(4130,4520) ; 4116.72,4525.5 cw(c4116.72,4506.72) v1(4130,4520) ; U2.MH4@5592.18,3666.76 cw(c5612.74,3646.2) U2.MH4@5612.74,3675.28 ; U2.MH4@5592.18,3666.76 cw(c5612.74,3646.2) U2.MH4@5612.74,3675.28 ; U2.MH4@5592.18,3666.76 cw(c5612.74,3646.2) U2.MH4@5612.74,3675.28 ; U2.MH4@5592.18,3666.76 cw(c5612.74,3646.2) U2.MH4@5612.74,3675.28 ; U2.MH4@5592.18,3683.24 ccw(c5611.41,3702.47) U2.MH4@5611.41,3675.28 ; U2.MH4@5592.18,3683.24 ccw(c5607.23,3698.3) U2.MH4@5607.23,3677 ; U2.MH4@5592.18,3683.24 ccw(c5607.23,3698.3) U2.MH4@5607.23,3677 ; U2.MH4@5592.18,3683.24 ccw(c5607.23,3698.3) U2.MH4@5607.23,3677 ; U2.MH4@5592.18,3683.24 ccw(c5607.23,3698.3) U2.MH4@5607.23,3677 ; U2.MH4@5592.18,3683.24 ccw(c5607.23,3698.3) U2.MH4@5607.23,3677 ; U2.MH4@5592.18,3683.24 ccw(c5607.23,3698.3) U2.MH4@5607.23,3677 ; U2.MH4@5592.18,3683.24 ccw(c5611.41,3702.47) U2.MH4@5611.41,3675.28 ; U2.MH4@5592.18,3683.24 ccw(c5607.23,3698.3) U2.MH4@5607.23,3677 ; U2.MH4@5592.18,3683.24 ccw(c5607.23,3698.3) U2.MH4@5607.23,3677 ; U2.MH4@5592.18,3683.24 ccw(c5607.23,3698.3) U2.MH4@5607.23,3677 ; U2.MH4@5592.18,3683.24 ccw(c5611.41,3702.47) U2.MH4@5611.41,3675.28 ; U2.MH4@5592.18,3683.24 ccw(c5607.23,3698.3) U2.MH4@5607.23,3677 ; U2.MH4@5592.18,3683.24 ccw(c5611.41,3702.47) U2.MH4@5611.41,3675.28 ; U2.MH4@5593.08,3667.77 cw(c5612.16,3652.67) U2.MH4@5612.16,3677 ; U2.MH4@5593.08,3667.77 cw(c5612.16,3652.67) U2.MH4@5612.16,3677 ; U2.MH4@5593.08,3667.77 cw(c5612.16,3652.67) U2.MH4@5612.16,3677 ; U2.MH4@5593.08,3667.77 cw(c5612.16,3652.67) U2.MH4@5612.16,3677 ; U2.MH4@5593.08,3667.77 cw(c5612.16,3652.67) U2.MH4@5612.16,3677 ; U2.MH4@5593.08,3667.77 cw(c5612.16,3652.67) U2.MH4@5612.16,3677 ; U2.MH4@5593.08,3667.77 cw(c5612.16,3652.67) U2.MH4@5612.16,3677 ; U2.MH4@5593.08,3667.77 cw(c5612.16,3652.67) U2.MH4@5612.16,3677 ; U2.MH4@5593.08,3667.77 cw(c5612.16,3652.67) U2.MH4@5612.16,3677 ; U2.MH4@5593.08,3667.77 cw(c5612.16,3652.67) U2.MH4@5612.16,3677 ; U2.MH4@5593.09,3682.22 ccw(c5607.4,3693.5) U2.MH4@5607.4,3675.28 ; U2.MH4@5593.09,3682.22 ccw(c5607.4,3693.5) U2.MH4@5607.4,3675.28 ; U2.MH4@5593.09,3682.22 ccw(c5607.4,3693.5) U2.MH4@5607.4,3675.28 ; U2.MH4@5593.09,3682.22 ccw(c5607.4,3693.5) U2.MH4@5607.4,3675.28 ; U2.MH4@5593.35,3668.13 cw(c5607.4,3657.89) U2.MH4@5607.4,3675.28 ; U2.MH4@5593.35,3668.13 cw(c5607.4,3657.89) U2.MH4@5607.4,3675.28 ; U2.MH4@5593.35,3668.13 cw(c5607.4,3657.89) U2.MH4@5607.4,3675.28 ; U2.MH4@5593.35,3668.13 cw(c5607.4,3657.89) U2.MH4@5607.4,3675.28 ; U2.MH4@5604.96,3677 ccw(c5608.56,3690.45) U2.MH4@5619.65,3682.04 ; U2.MH4@5604.96,3677 ccw(c5608.56,3690.45) U2.MH4@5619.65,3682.04 ; U2.MH4@5604.96,3677 ccw(c5608.56,3690.45) U2.MH4@5619.65,3682.04 ; U2.MH4@5604.96,3677 ccw(c5608.56,3690.45) U2.MH4@5619.65,3682.04 ; U2.MH4@5604.96,3677 ccw(c5608.56,3690.45) U2.MH4@5619.65,3682.04 ; U2.MH4@5604.96,3677 ccw(c5608.56,3690.45) U2.MH4@5619.65,3682.04 ; U2.MH4@5604.96,3677 ccw(c5608.56,3690.45) U2.MH4@5619.65,3682.04 ; U2.MH4@5604.96,3677 ccw(c5608.56,3690.45) U2.MH4@5619.65,3682.04 ; U2.MH4@5604.96,3677 ccw(c5608.56,3690.45) U2.MH4@5619.65,3682.04 ; U2.MH4@5604.96,3677 ccw(c5608.56,3690.45) U2.MH4@5619.65,3682.04 ; U2.MH4@5605.66,3673.38 cw(c5608.94,3661.13) U2.MH4@5619.36,3668.36 ; U2.MH4@5605.66,3673.38 cw(c5608.94,3661.13) U2.MH4@5619.36,3668.36 ; U2.MH4@5605.66,3673.38 cw(c5608.94,3661.13) U2.MH4@5619.36,3668.36 ; U2.MH4@5605.66,3673.38 cw(c5608.94,3661.13) U2.MH4@5619.36,3668.36 ; U2.MH4@5605.66,3673.38 cw(c5608.94,3661.13) U2.MH4@5619.36,3668.36 ; U2.MH4@5605.66,3673.38 cw(c5608.94,3661.13) U2.MH4@5619.36,3668.36 ; U2.MH4@5605.66,3673.38 cw(c5608.94,3661.13) U2.MH4@5619.36,3668.36 ; U2.MH4@5605.66,3673.38 cw(c5608.94,3661.13) U2.MH4@5619.36,3668.36 ; U2.MH4@5605.66,3673.38 cw(c5608.94,3661.13) U2.MH4@5619.36,3668.36 ; U2.MH4@5605.66,3673.38 cw(c5608.94,3661.13) U2.MH4@5619.36,3668.36 ; U2.MH4@5637.18,3666.76 cw(c5657.74,3646.2) U2.MH4@5657.74,3675.28 ; U2.MH4@5637.18,3666.76 cw(c5657.74,3646.2) U2.MH4@5657.74,3675.28 ; U2.MH4@5637.18,3666.76 cw(c5657.74,3646.2) U2.MH4@5657.74,3675.28 ; U2.MH4@5637.18,3666.76 cw(c5657.74,3646.2) U2.MH4@5657.74,3675.28 ; U2.MH4@5637.18,3683.24 ccw(c5656.41,3702.47) U2.MH4@5656.41,3675.28 ; U2.MH4@5637.18,3683.24 ccw(c5656.41,3702.47) U2.MH4@5656.41,3675.28 ; U2.MH4@5637.18,3683.24 ccw(c5656.41,3702.47) U2.MH4@5656.41,3675.28 ; U2.MH4@5637.18,3683.24 ccw(c5656.41,3702.47) U2.MH4@5656.41,3675.28 ; U2.MH4@5647.85,3654.51 cw(c5697.99,3604.37) 5697.99,3675.28 ; U2.MH4@5647.85,3654.51 cw(c5697.99,3604.37) 5697.99,3675.28 ; U2.MH4@5647.85,3654.51 cw(c5697.99,3604.37) 5697.99,3675.28 ; U2.MH4@5647.85,3654.51 cw(c5697.99,3604.37) 5697.99,3675.28 ; U2.MH4@5647.85,3696.04 ccw(c5697.99,3746.18) 5697.99,3675.28 ; U2.MH4@5647.85,3696.04 ccw(c5697.99,3746.18) 5697.99,3675.28 ; U2.MH4@5647.85,3696.04 ccw(c5697.99,3746.18) 5697.99,3675.28 ; U2.MH4@5647.85,3696.04 ccw(c5697.99,3746.18) 5697.99,3675.28 ; 5762.87,3675.28 cw(c5762.87,3604.37) U2.MH3@5813.01,3654.51 ; 5762.87,3675.28 ccw(c5762.87,3746.18) U2.MH3@5813.01,3696.04 ; 5762.87,3675.28 cw(c5762.87,3604.37) U2.MH3@5813.01,3654.51 ; 5762.87,3675.28 ccw(c5762.87,3746.18) U2.MH3@5813.01,3696.04 ; 5762.87,3675.28 cw(c5762.87,3604.37) U2.MH3@5813.01,3654.51 ; 5762.87,3675.28 ccw(c5762.87,3746.18) U2.MH3@5813.01,3696.04 ; 5762.87,3675.28 cw(c5762.87,3604.37) U2.MH3@5813.01,3654.51 ; 5762.87,3675.28 ccw(c5762.87,3746.18) U2.MH3@5813.01,3696.04 ; 5762.87,3675.28 cw(c5762.87,3604.37) U2.MH3@5813.01,3654.51 ; 5762.87,3675.28 ccw(c5762.87,3746.18) U2.MH3@5813.01,3696.04 ; 5762.87,3675.28 cw(c5762.87,3604.37) U2.MH3@5813.01,3654.51 ; 5762.87,3675.28 ccw(c5762.87,3746.18) U2.MH3@5813.01,3696.04 ; U2.MH3@5805.14,3675.28 cw(c5805.14,3646.2) U2.MH3@5825.7,3666.76 ; U2.MH3@5805.14,3675.28 cw(c5805.14,3646.2) U2.MH3@5825.7,3666.76 ; U2.MH3@5805.14,3675.28 cw(c5805.14,3646.2) U2.MH3@5825.7,3666.76 ; U2.MH3@5805.14,3675.28 cw(c5805.14,3646.2) U2.MH3@5825.7,3666.76 ; U2.MH3@5805.14,3675.28 cw(c5805.14,3646.2) U2.MH3@5825.7,3666.76 ; U2.MH3@5805.14,3675.28 cw(c5805.14,3646.2) U2.MH3@5825.7,3666.76 ; U2.MH3@5806.47,3675.28 ccw(c5806.47,3702.47) U2.MH3@5825.7,3683.24 ; U2.MH3@5806.47,3675.28 ccw(c5806.47,3702.47) U2.MH3@5825.7,3683.24 ; U2.MH3@5806.47,3675.28 ccw(c5806.47,3702.47) U2.MH3@5825.7,3683.24 ; U2.MH3@5806.47,3675.28 ccw(c5806.47,3702.47) U2.MH3@5825.7,3683.24 ; U2.MH3@5806.47,3675.28 ccw(c5806.47,3702.47) U2.MH3@5825.7,3683.24 ; U2.MH3@5806.47,3675.28 ccw(c5806.47,3702.47) U2.MH3@5825.7,3683.24 ; U2.MH3@5825.14,3675.28 cw(c5825.14,3646.2) U2.MH3@5845.7,3666.76 ; U2.MH3@5825.14,3675.28 cw(c5825.14,3646.2) U2.MH3@5845.7,3666.76 ; U2.MH3@5825.14,3675.28 cw(c5825.14,3646.2) U2.MH3@5845.7,3666.76 ; U2.MH3@5825.14,3675.28 cw(c5825.14,3646.2) U2.MH3@5845.7,3666.76 ; U2.MH3@5825.14,3675.28 cw(c5825.14,3646.2) U2.MH3@5845.7,3666.76 ; U2.MH3@5825.14,3675.28 cw(c5825.14,3646.2) U2.MH3@5845.7,3666.76 ; U2.MH3@5826.47,3675.28 ccw(c5826.47,3702.47) U2.MH3@5845.7,3683.24 ; U2.MH3@5826.47,3675.28 ccw(c5826.47,3702.47) U2.MH3@5845.7,3683.24 ; U2.MH3@5826.47,3675.28 ccw(c5826.47,3702.47) U2.MH3@5845.7,3683.24 ; U2.MH3@5826.47,3675.28 ccw(c5826.47,3702.47) U2.MH3@5845.7,3683.24 ; U2.MH3@5826.47,3675.28 ccw(c5826.47,3702.47) U2.MH3@5845.7,3683.24 ; U2.MH3@5826.47,3675.28 ccw(c5826.47,3702.47) U2.MH3@5845.7,3683.24